# Altium PCB MercurialSDR.PcbDoc (part 2 of 2)
Units mm, origin at the board's own origin, x right, y up, seen from the top; angles counter-clockwise.
Board outline 100 x 50 mm, 2 copper layers (Top Layer, Bottom Layer); 130 components, 118 nets, 582 pads, 101 vias.
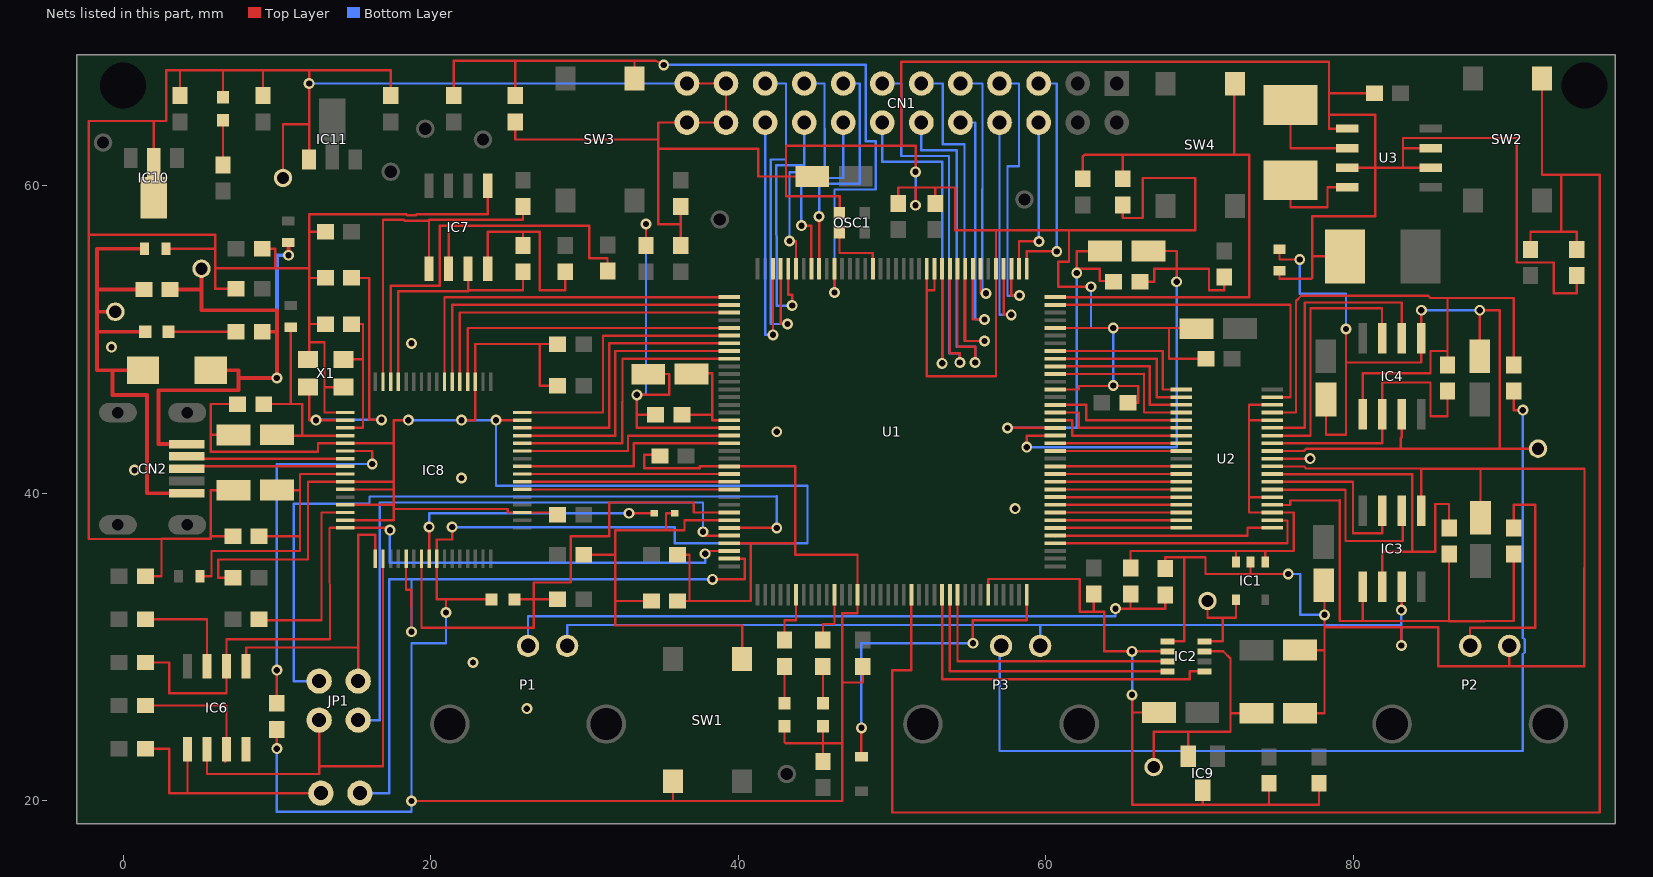
[diagram p2: the nets of this part, all layers, seen from the top]

## Via types
v1: diameter 0.711, hole 0.406, Top Layer to Bottom Layer, 101 vias

## Nets (pads, with @x,y where several pads share a name; then routed paths per layer and width w, separated by ;. In a path a pad name is that pad's centre, name@x,y a point inside that pad or via, vN(x,y) a via of type N, cw(c..) or ccw(c..) an arc to the next point about the centre after c; other vN are vias at no path point) (continued)
A1: U1.137 U2.20 | length 10.7
  Top Layer w0.152: U1.137@60.6,49.25 67.6,49.25 67.6,46.75 U2.20@68.8,46.75
AGND: C1.2 C5.2 C6.1 C7.1 C9.2 C46.2 FB5.2 IC1.2 IC2.5 IC3.3 IC3.5 IC4.3 IC4.5 P1.2 P2.2 P3.2 R2.2 TP13.1 U2.9 U2.11 | length 220.8
  Top Layer w0.152: R2.2@67.75,35.1 67.75,35.85 69,35.85 ; IC2.5@67.9,30.375 69,30.375 69,35.85 ; IC1.2@73.3,35.525 73.3,34.75 ; U2.11@74.7,42.75 76.777,42.75 76.912,42.885 83.059,42.885 ; FB5.2@75.184,55.869 75.184,55.2 v1(76.5,55.2) ; 75.405,41.74 76.787,41.74 76.912,41.615 84.4,41.6 ; v1(75.75,34.75) 73.3,34.75 ; C46.2@76.51,25.705 78.105,25.705 78.105,29.8 ; C1.2@76.51,29.805 76.51,29.8 78.105,29.8 ; C5.2@78.105,34.39 78.105,31.3 ; C9.2@78.205,46.09 78.205,43.8 79.5,43.8 79.5,48.5 ; 79.026,31.319 79.045,31.3 ; v1(79.5,50.675) 79.5,48.5 ; v1(83.1,30.1) 83.1,31.3 ; v1(83.1,32.4) 83.135,32.4 IC3.3@83.135,33.936 ; IC4.3@83.135,45.136 83.135,43.651 83.059,43.575 83.059,42.885 ; IC3.5@84.405,38.864 84.4,41.6 ; v1(84.405,51.9) IC4.5@84.405,50.064 84.405,48.5 79.5,48.5 ; C6.1@88.167,38.332 C6.1@88.2,38.3 ; C7.1@88.2,48.91 v1(88.2,51.9) 89.5,51.9 89.5,42.9 ; C6.1@88.245,38.41 88.25,41.6 ; P2.2@90.12,30.33 90.12,28.75 ; TP13.1@91.991,42.809 TP13.1@92.1,42.7 ; TP13.1@91.991,42.9 89.5,42.9 ; 69,35.85 70.375,35.85 70.375,34.75 73.3,34.75 ; 78.105,29.8 78.105,31.3 ; 78.105,31.3 79.045,31.3 ; 79.045,31.3 83.1,31.3 ; 83.059,42.885 89.5,42.9 ; 83.1,31.3 85.5,31.3 85.5,28.75 90.12,28.75 ; 84.4,41.6 88.25,41.6 ; 88.25,41.6 95.005,41.6 95,28.75 90.12,28.75
  Bottom Layer w0.152: P1.2@28.87,30.08 28.87,31.441 59.62,31.441 ; P3.2@59.62,30.08 59.62,31.441 ; v1(75.75,34.75) 76.525,34.75 76.525,32.1 v1(78.1,32.1) ; v1(76.5,55.2) 76.5,52.975 79.5,52.975 v1(79.5,50.675) ; v1(83.1,30.1) 83.1,31.441 ; v1(83.1,32.4) 83.1,31.441 ; v1(84.405,51.9) v1(88.2,51.9) ; 59.62,31.441 83.1,31.441
CDONE_S: D2.1 IC8.23 R7.2 U1.65 | length 36.1
  Top Layer w0.152: IC8.23@19.4,35.75 19.4,31.25 26.7,31.25 26.7,33.1 ; D2.1@25.45,33.1 26.7,33.1 ; R7.2@28.25,33.1 26.7,33.1 ; U1.65@39.4,38.75 37.1,38.75 37.1,39.4 31.6,39.4 31.6,37.2 29.1,37.2 29.1,34.2 26.7,34.2 26.7,33.1
CS_S: IC8.21 JP2.2 U1.71 | length 49.8
  Top Layer w0.152: IC8.21@18.4,35.75 18.4,33.721 18.745,33.721 18.745,32.639 18.75,32.639 v1(18.75,31) ; v1@38.354,34.417 40.411,34.417 40.411,35.75 U1.71@39.4,35.75
  Bottom Layer w0.152: JP2.2@15.4,20.5 17.3,20.5 17.3,34.409 18.72,34.409 ; v1(18.75,31) 18.75,34.379 18.72,34.409 ; v1(38.319,34.409) 18.72,34.409
D_0: U1.112 U2.2 | length 17.6
  Top Layer w0.152: U1.112@60.6,36.75 75.7,36.75 75.7,38.223 U2.2@74.7,38.25
D_1: U1.113 U2.1 | length 14.7
  Top Layer w0.152: U1.113@60.65,37.2 U1.113@60.6,37.25 73.1,37.25 73.1,37.75 U2.1@74.7,37.75
D_2: U1.114 U2.38 | length 8.2
  Top Layer w0.152: U1.114@60.6,37.75 U2.38@68.8,37.75
D_3: U1.115 U2.37 | length 8.3
  Top Layer w0.152: U1.115@60.65,38.2 U1.115@60.6,38.25 U2.37@68.8,38.25
D_4: U1.116 U2.36 | length 8.3
  Top Layer w0.152: U1.116@60.65,38.7 U1.116@60.6,38.75 U2.36@68.8,38.75
D_5: U1.117 U2.35 | length 8.2
  Top Layer w0.152: U1.117@60.6,39.25 U2.35@68.8,39.25
D_6: U1.118 U2.34 | length 8.2
  Top Layer w0.152: U1.118@60.6,39.75 U2.34@68.8,39.75
D_7: U1.119 U2.33 | length 8.2
  Top Layer w0.152: U1.119@60.6,40.25 U2.33@68.8,40.25
D_8: U1.120 U2.32 | length 8.2
  Top Layer w0.152: U1.120@60.6,40.75 U2.32@68.8,40.75
D_9: U1.121 U2.31 | length 8.2
  Top Layer w0.152: U1.121@60.6,41.25 U2.31@68.8,41.25
D_10: U1.122 U2.30 | length 8.2
  Top Layer w0.152: U1.122@60.6,41.75 U2.30@68.8,41.75
D_11: U1.124 U2.28 | length 8.2
  Top Layer w0.152: U1.124@60.6,42.75 U2.28@68.8,42.75
D_12: U1.125 U2.27 | length 8.2
  Top Layer w0.152: U1.125@60.6,43.25 U2.27@68.8,43.25
D_13: U1.128 U2.26 | length 9.2
  Top Layer w0.152: U1.128@60.6,44.75 61.7,44.75 61.7,43.75 U2.26@68.8,43.75
D_14: U1.129 U2.25 | length 9.2
  Top Layer w0.152: U1.129@60.6,45.25 62.125,45.25 62.125,44.25 U2.25@68.8,44.25
D_15: U1.130 U2.24 | length 9.2
  Top Layer w0.152: U1.130@60.6,45.75 62.625,45.75 62.625,44.75 U2.24@68.8,44.75
DAC_DATA_IN: IC2.1 U1.97 | length 23.1
  Top Layer w0.152: U1.97@53.25,33.4 53.25,27.9 69.35,27.9 69.35,28.425 IC2.1@70.3,28.425
DAC_SCLK: IC2.8 U1.98 | length 19.1
  Top Layer w0.152: U1.98@53.75,33.4 53.75,28.425 IC2.8@67.9,28.425
DAC_SYNC: IC2.7 U1.99 | length 18.1
  Top Layer w0.152: U1.99@54.25,33.4 54.25,29.075 IC2.7@67.9,29.075 ; IC2.7@67.9,29.098 IC2.7@67.9,29.175
GND: C2.2 C3.2 C10.2 C11.2 C12.2 C13.2 C14.2 C15.2 C16.2 C17.1 C18.1 C19.1 C20.1 C21.1 C26.1 C27.2 C28.2 C29.2 C30.2 C31.2 C32.2 C33.2 C34.2 C35.2 C36.2 C37.1 C38.2 C39.2 C40.2 C45.2 C48.2 C49.2 C50.2 C51.2 C52.2 C54.1 CN1.21 CN1.22 CN1.23 CN1.24 D2.2 D4.2 D5.2 D8.2 FB4.2 FB5.1 IC2.6 IC6.4 IC7.5 IC8.1 IC8.5 IC8.10 IC8.11 IC8.13 IC8.15 IC8.25 IC8.35 IC8.47 IC8.51 IC9.3 IC10.2 IC11.1 OSC1.2 R14.2 R19.1 R20.1 R21.1 SW1.4 TP12.1 U1.5 U1.13 U1.14 U1.59 U1.69 U1.86 U1.103 U1.132 U1.140 U2.10 U3.1 U3.3 U3.6 U3.7 X1.2 X1.4 | length 749.6
  Top Layer w0.152: C26.1@1.45,34.6 2.5,34.6 2.5,37.036 ; IC10.2@2,59.2 IC10.2@2,61.5 2,64.2 ; FB4.2@2.8,55.9 6,55.9 ; C49.2@3.7,65.85 3.7,67.5 ; 5.788,37.2 C30.2@7.15,37.2 ; D8.2@6.5,65.75 6.5,67.5 ; C27.2@7.15,34.5 6.2,34.5 6.2,35.7 12.025,35.7 12.025,40.75 17.6,40.75 ; C31.2@7.19,40.195 5.7,40.195 5.7,37.036 2.5,37.036 ; C32.2@7.19,43.795 5.7,43.795 ; C38.2@7.35,53.3 6,53.3 6,54.625 ; C33.2@7.45,45.8 5.7,45.8 5.7,43.795 ; C48.2@9.05,55.9 9.9,55.9 9.9,54.625 ; C50.2@9.1,66.35 9.1,67.5 ; R14.2@9.75,25.15 10,24.9 v1(10,23.4) ; TP12.1@10.4,60.5 10.4,64 12.1,64 ; X1.4@12.1,48.65 12.1,49.825 ; 12.1,54 C36.2@13.15,54 ; 12.1,54.6 12.1,51 ; IC11.1@12.1,61.7 12.1,64 ; C37.1@13.15,51 12.1,51 ; C29.2@13.15,57 12.1,57 ; X1.2@14.333,46.903 13.1,46.903 ; IC8.15@14.45,38.25 17.6,38.25 17.6,39.25 ; IC8.13@14.45,39.25 17.6,39.25 ; IC8.11@14.45,40.25 17.6,40.25 ; IC8.1@14.45,45.25 13.1,45.25 13.1,46.903 ; C51.2@17.4,65.85 17.4,67.5 12.1,67.5 ; 17.6,38.975 25,38.975 25,38.75 28.25,38.75 C28.2@28.25,38.6 ; v1(18.55,44.75) 17.6,44.75 17.6,43.25 ; v1(18.75,20) 35.75,20 ; v1(21,32.25) 21,33.055 20.98,33.075 21.006,33.1 ; v1(21.4,37.8) 21.4,37 20.4,37 20.4,33.1 21.006,33.1 ; v1(22,44.75) 22.9,44.75 22.9,49.7 27.1,49.7 ; IC7.5@23.705,60 23.7,58.15 19.098,58.15 19.013,58.065 18.487,58.065 18.402,58.15 12.1,58.15 12.1,57 ; D2.2@23.95,33.1 21.006,33.1 ; v1(24.25,44.75) IC8.47@25.95,44.75 ; R20.1@25.5,64.15 25.5,63 34.8,63 ; C35.2@28.25,47 27.1,47 27.1,49.7 ; C34.2@28.25,49.7 27.1,49.7 ; C17.1@34.85,42.5 33.875,42.5 33.875,41.625 37.5,41.625 37.5,41.75 U1.59@39.4,41.75 43.7,41.75 43.7,36.75 ; SW1.4@35.75,21.275 35.75,20 ; C16.2@36.05,33 36.83,33 ; C21.1@36.05,36 36.83,36 36.83,33 ; C12.2@36.25,56.1 36.25,57.5 ; C15.2@36.25,58.65 36.25,57.5 ; CN1.23@36.66,66.64 CN1.21@39.2,66.64 CN1.22@39.2,64.1 CN1.24@36.66,64.1 34.8,64.1 34.8,63 ; U1.69@39.4,36.75 40.8,36.75 ; D4.2@43,24.85 43,23.814 43.065,23.749 45.5,23.749 C19.1@45.5,22.5 ; C39.2@44.79,60.595 43.1,60.595 ; D5.2@45.5,24.85 45.5,23.75 46.75,23.75 ; OSC1.2@46.584,58.2 46.584,59.275 ; 46.584,59.3 43.1,59.3 43.1,60.595 ; C14.2@48.1,28.75 48.1,27.7 46.75,27.7 ; C40.2@50.4,58.85 50.4,59.875 52.8,59.875 ; v1(51.525,58.725) 51.525,59.875 ; v1(51.525,60.9) 51.525,62.6 50.6,62.6 ; U1.14@52.25,54.6 52.25,53.2 ; U1.13@52.75,54.6 52.75,53.2 52.25,53.2 ; C20.1@52.8,58.85 52.8,59.875 ; U1.103@56.25,33.4 56.25,34.425 62.2,34.425 62.2,32.3 63.1,32.3 ; U1.132@60.6,46.75 62.125,46.75 62.125,46.975 66,46.975 66,45.875 C18.1@65.325,45.875 ; U1.140@60.6,50.75 68,50.75 ; 61.5,57.1 61.5,55.05 60.8,55.05 60.8,53.425 v1(62.925,53.425) ; C13.2@63.1,33.45 63.1,32.3 ; R21.1@65,58.75 65,57.9 66.3,57.9 66.3,60.5 69.7,60.5 69.7,57.1 56.75,57.1 ; v1(65.6,26.9) 65.6,25.75 ; C2.2@67.34,25.745 67.34,25.75 65.6,25.75 ; IC2.6@67.9,29.725 63.8,29.725 63.8,32.3 63.1,32.3 ; C10.2@69.79,50.695 69.79,50.75 68,50.75 ; IC9.3@70.2,20.7 70.2,19.75 ; C11.2@70.4,48.75 68,48.75 68,50.75 ; C45.2@74.5,21.15 74.5,19.75 ; U2.10@74.7,42.25 v1(77.175,42.25) ; FB5.1@75.184,54.469 75.184,53.95 77.241,53.95 77.3,54.008 77.3,55.4 ; C3.2@77.75,21.15 77.75,19.75 74.5,19.75 ; C54.1@79.45,55.4 77.3,55.4 ; U3.3@79.576,61.165 81.4,61.165 ; U3.1@79.576,63.705 78.4,63.705 78.4,64.6 ; C52.2@81.35,66 78.4,66 ; U3.6@85.024,61.165 83.212,61.165 ; U3.7@85.024,62.435 83.212,62.435 ; R19.1@94.5,54.15 94.5,53 93,53 93,55 90.6,55 90.6,63.1 83.212,63.1 83.212,62.435 ; -2.221,56.8 -2.221,64.2 2,64.2 ; -2.221,56.8 6,56.8 6,55.9 ; -2.221,56.8 -2.225,37.025 2.5,37.036 ; 2,64.2 2.8,64.2 2.8,67.5 3.7,67.5 ; 3.7,67.5 6.5,67.5 ; 5.7,43.795 5.7,42.7 12.675,42.7 12.675,43.25 17.6,43.25 ; 6,54.625 9.9,54.625 ; 6,54.625 6,55.9 ; 6.5,67.5 9.1,67.5 ; 9.1,67.5 12.1,67.5 ; 9.9,54.625 12.1,54.625 12.1,57 ; 12.1,49.825 13.1,49.825 13.1,46.903 ; 12.1,49.825 12.1,51 ; 12.1,64 v1(12.1,66.64) 12.1,67.5 ; 17.6,39.25 17.6,40.25 ; 17.6,40.25 17.6,40.75 ; 17.6,40.75 17.6,43.25 ; 34.8,62.4 34.8,63 ; 34.8,62.4 34.8,57.5 36.25,57.5 ; 34.8,62.4 41.3,62.4 41.3,60.595 43.1,60.595 ; 35.75,20 46.75,20 46.75,23.75 ; 36.83,33 40.8,33 40.8,36.75 ; 40.8,36.75 43.7,36.75 ; 43.1,60.595 43.1,62.6 50.6,62.6 ; 43.7,36.75 43.7,36 47.75,36 U1.86@47.75,33.4 47.75,32.2 46.75,32.2 46.75,27.7 ; 46.75,23.75 46.75,27.7 ; 50.6,62.6 50.6,68.059 78.4,68.059 78.4,66 ; 52.25,53.2 52.25,47.6 56.75,47.6 U1.5@56.75,54.6 56.75,57.1 ; 52.8,59.875 54.1,59.875 54.1,57.1 56.75,57.1 ; 65.6,25.75 65.6,19.75 70.2,19.75 ; 70.2,19.75 74.5,19.75 ; 77.3,55.4 77.3,58 81.4,58 81.4,61.165 ; 78.4,64.6 78.4,66 ; 78.4,64.6 81.4,64.6 81.4,61.165 ; 81.4,61.165 83.212,61.165 ; 83.212,61.165 83.212,62.435
  Top Layer w0.254: C19.1@45.5,22.5 C19.1@45.55,22.45
  Bottom Layer w0.152: v1(10,23.4) 10,19.304 18.75,19.304 v1(18.75,20) 18.75,30.25 21,30.25 v1(21,32.25) ; v1(12.1,66.64) CN1.23@36.66,66.64 ; v1(18.55,44.75) v1(22,44.75) v1(24.25,44.75) 24.25,40.5 44.5,40.5 44.5,36.75 35.875,36.75 35.875,37.8 v1(21.4,37.8) ; v1(51.525,58.725) v1(51.525,60.9) ; v1(62.925,53.425) 62.925,50.775 62.95,50.75 v1(64.375,50.75) v1(64.375,47) ; v1(65.6,26.9) v1(65.6,29.725)
  other v1: 26.25,26 22.75,29 58,39 22,41 0.75,41.5 42.5,44 -0.75,49.5 18.75,49.75
LDAC: U1.136 U2.21 | length 10.7
  Top Layer w0.152: U1.136@60.6,48.75 67.175,48.75 ; 67.2,48.75 67.2,46.25 U2.21@68.8,46.25
MISO_ICE: JP1.1 U1.68 | length 40.4
  Top Layer w0.152: v1(37.7,37.5) 37.7,37.25 U1.68@39.4,37.25
  Bottom Layer w0.152: JP1.1@15.29,25.25 16.7,25.25 16.7,39.4 37.7,39.4 v1(37.7,37.5)
MISO_S: IC6.2 IC8.18 JP1.2 | length 30
  Top Layer w0.152: IC6.2@5.46,23.35 5.46,21.75 12.75,21.75 12.75,22.25 ; JP1.2@12.75,25.25 12.75,22.25 ; IC8.18@16.9,35.75 16.9,22.25 12.75,22.25
MOSI_ICE: JP1.4 U1.67 | length 50.2
  Top Layer w0.152: U1.67@39.4,37.75 v1(42.5,37.75)
  Bottom Layer w0.152: JP1.4@12.75,27.79 11.1,27.79 11.1,39.325 16.025,39.325 16.025,39.775 42.5,39.8 v1(42.5,37.75)
MOSI_S: IC6.5 IC8.17 JP1.3 | length 20.7
  Top Layer w0.152: IC6.5@8,28.75 8,29.975 15.29,29.975 ; JP1.3@15.29,27.79 15.29,37.3 15.4,37.3 16.4,37.3 IC8.17@16.4,35.75
NetC4_1: C4.1 IC3.1 R3.1 U2.4 | length 34.7
  Top Layer w0.152: U2.4@74.7,39.24 75.875,39.25 75.875,39.514 79.1,39.538 79.1,31.7 80.595,31.7 ; IC3.1@80.595,33.936 80.595,31.7 ; C4.1@86.205,36.04 86.205,31.7 ; R3.1@90.405,36.04 90.405,31.7 88.49,31.7 88.481,31.691 86.214,31.691 86.205,31.7 ; 80.595,31.7 86.205,31.7
NetC4_2: C4.2 IC3.2 U2.8 | length 24.7
  Top Layer w0.152: 75.405,41.24 83.805,41.24 83.805,36.2 ; IC3.2@81.865,33.936 81.865,36.2 83.805,36.2 ; C4.2@86.205,37.74 86.205,39.3 85.3,39.3 85.3,36.2 83.805,36.2
NetC8_1: C8.1 IC4.2 U2.12 | length 19.2
  Top Layer w0.152: U2.12@74.7,43.25 81.865,43.25 IC4.2@81.865,45.136 81.865,47.2 85,47.2 85,45 86.1,45 C8.1@86.1,46.65
NetC8_2: C8.2 IC4.1 R4.1 U2.16 | length 41.6
  Top Layer w0.152: U2.16@74.7,45.25 76.256,45.25 76.256,52.508 76.592,52.844 84.856,52.844 85,52.7 86.1,52.7 ; IC4.1@80.595,45.136 80.595,47.8 85,47.8 85,49.25 86.1,49.25 ; C8.2@86.1,48.35 86.1,52.7 ; R4.1@90.2,48.35 90.4,48.55 90.4,52.7 86.1,52.7
NetC16_1: C16.1 D1.1 R6.2 SW1.1 U1.66 | length 30.7
  Top Layer w0.152: R6.2@29.95,36 32,36 ; C16.1@34.35,33 32,33 ; D1.1@35.86,38.7 35.3,38.7 35.3,37.6 ; U1.66@39.4,38.25 36.5,38.25 36.5,37.6 35.3,37.6 ; SW1.1@40.25,29.225 40.25,31.4 32,31.4 32,33 ; 32,33 32,36 ; 32,36 32,37.6 35.3,37.6
NetC22_1: C22.1 C24.1 R8.1 U1.54 | length 27.2
  Top Layer w0.152: C24.1@33.99,47.795 C24.1@34.09,47.795 ; R8.1@34,56.1 v1@34,57.6 ; C22.1@34.393,44.7 C22.1@34.45,44.757 ; C24.1@34.45,47.75 35.5,47.75 35.5,46.4 v1(33.4,46.4) 33.4,45.1 ; C22.1@34.55,45.027 34.477,45.1 33.4,45.1 ; U1.54@39.4,44.25 33.4,44.25 33.4,45.1
  Bottom Layer w0.152: v1(33.4,46.4) 34,46.4 v1(34,57.5)
NetC22_2: C22.2 C24.2 U1.53 | length 7.5
  Top Layer w0.152: C22.2@36.325,45.1 38.3,45.1 ; C24.2@36.66,47.5 C24.2@36.66,47.505 ; C24.2@36.91,47.805 36.915,47.8 38.3,47.8 38.3,45.1 ; U1.53@39.4,44.75 38.3,44.75 38.3,45.1
NetC23_1: C23.1 C25.1 R9.2 U1.126 | length 35.5
  Top Layer w0.152: v1(58.75,43) 58.75,43.75 U1.126@60.6,43.75 ; C23.1@66.1,53.75 67.05,53.75 67.05,54.6 68.5,54.6 ; C25.1@66.66,55.755 68.5,55.755 68.5,54.6 ; v1(68.5,53.75) 68.5,54.6 ; R9.2@71.6,54.05 71.6,53.2 70.6,53.2 70.6,54.6 68.5,54.6
  Bottom Layer w0.152: v1(58.75,43) 68.5,43 v1(68.5,53.75)
NetC23_2: C23.2 C25.2 U1.127 | length 24.2
  Top Layer w0.152: v1(57.5,44.25) U1.127@60.6,44.25 ; v1(62,54.312) v1@62,54.6 ; C25.2@63.84,55.745 62,55.745 v1@62,54.6 ; C23.2@64.4,53.75 64.35,53.8 63.5,53.8 63.5,54.6 v1@62,54.6
  Bottom Layer w0.152: v1(57.5,44.25) 62,44.25 v1(62,54.312)
NetC30_1: C30.1 C31.1 FB1.2 IC8.9 | length 20.2
  Top Layer w0.152: FB1.2@5,34.6 5.75,34.6 5.75,36.25 11.5,36.25 11.5,37.2 ; C30.1@8.85,37.2 11.5,37.2 ; C31.1@10.01,40.205 11.5,40.205 ; IC8.9@14.45,41.25 11.5,41.25 11.5,40.205 ; 11.5,37.2 11.5,40.205
NetC32_1: C32.1 C33.1 FB2.2 IC8.4 | length 14.1
  Top Layer w0.152: C33.1@9.15,45.8 10.9,45.8 ; C32.1@9.61,43.705 C32.1@9.655,43.75 ; C32.1@10.01,43.805 10.01,43.75 IC8.4@14.45,43.75 ; FB2.2@10.9,50.8 10.9,45.8 ; 11.659,43.805 11.659,45.8 10.9,45.8
NetC36_1: C36.1 IC8.2 X1.1 | length 19.9
  Top Layer w0.152: X1.1@12.1,46.85 12.1,44.75 v1(12.55,44.75) IC8.2@14.45,44.75 ; C36.1@14.85,54 16,54 16,44.775 v1(16.8,44.775)
  Bottom Layer w0.152: v1(12.55,44.75) 12.55,44.775 v1(16.8,44.775)
NetC37_2: C37.2 IC8.3 X1.3 | length 9.9
  Top Layer w0.152: X1.3@14.333,48.703 15.6,48.703 ; IC8.3@14.45,44.25 15.6,44.25 15.6,51 C37.2@14.85,51
NetC41_2: C41.2 R19.2 SW2.4 U1.93 | length 121.9
  Top Layer w0.152: U1.93@51.25,33.4 51.25,28.5 50,28.5 50,19.25 96,19.25 96,60.7 93.5,60.7 ; C41.2@91.5,55.85 91.5,57 93.5,57 ; SW2.4@92.25,66.975 92.25,60.7 93.5,60.7 ; R19.2@94.5,55.85 94.5,57 93.5,57 ; 93.5,57 93.5,60.7
NetC42_2: C42.2 R20.2 SW3.4 U1.26 | length 52.2
  Top Layer w0.152: C42.2@21.5,65.85 21.5,68.124 25.5,68.124 ; R20.2@25.5,65.85 25.5,68.124 ; SW3.4@33.25,66.975 33.25,68.124 ; v1(35.15,67.85) 34.6,68.124 33.25,68.124 ; v1(46.25,53.05) U1.26@46.25,54.6 ; 25.5,68.124 33.25,68.124
  Bottom Layer w0.152: v1(35.15,67.85) 48.275,67.85 48.275,62.875 48.925,62.875 48.925,59.75 46.25,59.75 v1(46.25,53.05)
NetC43_2: C43.2 R21.2 SW4.4 U1.144 | length 40.8
  Top Layer w0.152: U1.144@60.6,52.75 73.225,52.75 73.225,62 72.25,62 ; C43.2@62.4,60.45 62.4,61.9 62.5,62 65,62 ; R21.2@65,60.45 65,62 ; SW4.4@72.25,67.075 72.25,62 ; 65,62 72.25,62
NetC53_1: C53.1 U3.2 | length 6.5
  Top Layer w0.152: C53.1@75.9,65.25 75.9,62.435 U3.2@79.576,62.435
NetC53_2: C53.2 U3.4 | length 6.7
  Top Layer w0.152: C53.2@75.9,60.35 75.9,58.6 78.3,58.6 78.3,59.895 U3.4@79.576,59.895
NetCN1_5: CN1.5 U1.1 | length 15.1
  Top Layer w0.152: U1.1@58.75,54.6 58.75,55.725 v1(60.7,55.725)
  Bottom Layer w0.152: CN1.5@59.52,66.64 60.7,66.64 v1@60.7,55.75
NetCN1_6: CN1.6 U1.2 | length 10.7
  Top Layer w0.152: U1.2@58.25,54.6 58.25,56.375 v1(59.55,56.375)
  Bottom Layer w0.152: v1@59.5,56.5 59.52,56.52 CN1.6@59.52,64.1
NetCN1_7: CN1.7 U1.3 | length 18.9
  Top Layer w0.152: U1.3@57.75,54.6 57.75,52.85 v1(58.275,52.85)
  Bottom Layer w0.152: CN1.7@56.98,66.64 58.25,66.64 58.25,61.25 57.5,61.25 57.5,52.85 v1(58.275,52.85)
NetCN1_8: CN1.8 U1.4 | length 17.5
  Top Layer w0.152: U1.4@57.25,54.6 57.25,51.6 v1(57.741,51.6)
  Bottom Layer w0.152: v1(57.741,51.6) 56.98,51.6 CN1.8@56.98,64.1 CN1.8@57.741,64.1
NetCN1_9: CN1.9 U1.7 | length 17.3
  Top Layer w0.152: U1.7@55.75,54.6 55.75,53 v1(56.1,53)
  Bottom Layer w0.152: CN1.9@54.44,66.64 55.875,66.625 55.85,53 v1(56.1,53)
NetCN1_10: CN1.10 U1.8 | length 18.4
  Top Layer w0.152: U1.8@55.25,54.6 55.24,54.6 55.24,51.3 v1(56,51.3)
  Bottom Layer w0.152: CN1.10@54.44,64.1 55.4,64.1 55.4,51.3 v1(56,51.3)
NetCN1_11: CN1.11 U1.9 | length 26.8
  Top Layer w0.152: U1.9@54.75,54.6 54.75,49.9 v1(56,49.9)
  Bottom Layer w0.152: CN1.11@51.9,66.64 53.3,66.64 53.3,62.7 54.7,62.7 54.7,49.9 v1(56,49.9)
NetCN1_12: CN1.12 U1.10 | length 26.4
  Top Layer w0.152: U1.10@54.25,54.6 54.25,49.525 55.4,49.525 v1(55.4,48.5)
  Bottom Layer w0.152: CN1.12@51.9,64.1 51.9,62.3 54.2,62.3 54.2,49.525 55.4,49.525 v1(55.4,48.5)
NetCN1_13: CN1.13 U1.11 | length 29.9
  Top Layer w0.152: U1.11@53.75,54.6 53.75,49.1 54.4,49.1 v1(54.4,48.5)
  Bottom Layer w0.152: CN1.13@49.36,66.64 50.6,66.64 50.6,61.925 53.7,61.925 53.7,49.1 54.4,49.1 v1(54.4,48.5)
NetCN1_14: CN1.14 U1.12 | length 25.7
  Top Layer w0.152: v1(53.25,48.45) U1.12@53.25,54.6
  Bottom Layer w0.152: CN1.14@49.36,64.1 49.36,61.55 53.25,61.55 v1(53.25,48.45)
NetCN1_15: CN1.15 U1.28 | length 15.8
  Top Layer w0.152: U1.28@45.25,54.6 v1(45.25,58)
  Bottom Layer w0.152: v1(45.25,58) 45.25,60.125 47.9,60.125 47.9,66.625 CN1.15@46.82,66.64
NetCN1_16: CN1.16 U1.29 | length 12.9
  Top Layer w0.152: v1(44.1,57.4) 44.75,57.4 U1.29@44.75,54.6
  Bottom Layer w0.152: v1(44.1,57.4) 44.1,60.5 46.825,60.5 CN1.16@46.82,64.1
NetCN1_17: CN1.17 U1.31 | length 16.3
  Top Layer w0.152: v1@43.1,56.4 43.75,56.4 U1.31@43.75,54.6
  Bottom Layer w0.152: v1(43.325,56.4) 43.325,60.875 45.625,60.875 45.6,66.64 CN1.17@44.28,66.64
NetCN1_18: CN1.18 U1.32 | length 17.4
  Top Layer w0.152: U1.32@43.25,54.6 43.25,52.9 43.5,52.9 v1(43.5,52.2)
  Bottom Layer w0.152: v1(43.5,52.2) 42.5,52.2 42.475,61.325 44.275,61.325 CN1.18@44.28,64.1
NetCN1_19: CN1.19 U1.33 | length 23.2
  Top Layer w0.152: U1.33@42.75,54.6 42.75,51 v1(43.2,51)
  Bottom Layer w0.152: CN1.19@41.74,66.64 43.1,66.64 43.1,61.7 42.1,61.7 42.1,51 v1(43.2,51)
NetCN1_20: CN1.20 U1.34 | length 18.6
  Top Layer w0.152: v1(42.25,50.3) U1.34@42.25,54.6
  Bottom Layer w0.152: CN1.20@41.74,64.1 41.74,50.3 v1(42.25,50.3)
NetD3_2: D3.2 U1.108 | length 21.3
  Top Layer w0.152: D3.2@48,22.865 v1(48,24.75) ; v1(55.25,30.25) 55.25,31.75 58.75,31.75 U1.108@58.75,33.4
  Bottom Layer w0.152: v1(48,24.75) 48,30.25 v1(55.25,30.25)
NetD4_1: D4.1 R22.1 | length 2.4
  Top Layer w0.152: D4.1@43,26.35 R22.1@43,28.75
NetD5_1: D5.1 R23.1 | length 2.4
  Top Layer w0.152: D5.1@45.5,26.35 R23.1@45.5,28.75
NetD7_1: D7.1 R25.2 | length 4.4
  Top Layer w0.152: D7.1@2.95,50.5 R25.2@7.35,50.5
NetD8_1: D8.1 R26.2 | length 2.9
  Top Layer w0.152: R26.2@6.5,61.35 D8.1@6.5,64.25
NetIC1_4: IC1.4 IC2.4 TP1.1 | length 7.3
  Top Layer w0.152: IC2.4@70.3,30.375 71.5,30.375 71.5,31.9 ; TP1.1@70.5,33.475 70.5,31.9 71.5,31.9 ; IC1.4@72.35,33.075 72.35,31.9 71.5,31.9
NetIC3_6: IC3.6 U2.6 | length 13.1
  Top Layer w0.152: U2.6@74.7,40.24 79.475,40.24 79.475,36.9 83.205,36.9 IC3.6@83.2,38.2
NetIC3_7: IC3.7 U2.7 | length 12
  Top Layer w0.152: U2.7@74.7,40.74 79.96,40.74 79.96,39.183 79.961,37.4 81.865,37.4 IC3.7@81.865,38.864 ; IC3.7@81.905,39.318 IC3.7@81.935,39.318
NetIC4_6: IC4.6 U2.14 | length 18.9
  Top Layer w0.152: U2.14@74.7,44.25 76.825,44.25 76.825,52.4 83.135,52.4 IC4.6@83.135,50.064
NetIC4_7: IC4.7 U2.13 | length 16.8
  Top Layer w0.152: U2.13@74.7,43.75 77.2,43.75 77.2,52.025 81.85,52.025 IC4.7@81.85,50.7
NetIC6_1: IC6.1 JP2.1 R11.1 | length 17.2
  Top Layer w0.152: R11.1@1.45,23.4 3,23.4 3,20.5 4.19,20.5 ; IC6.1@4.19,23.35 4.19,20.5 ; JP2.1@12.86,20.5 4.19,20.5
NetIC6_3: IC6.3 R10.2 | length 8.9
  Top Layer w0.152: R10.2@1.45,26.2 6.73,26.2 IC6.3@6.73,23.35 ; 6.635,22.55 IC6.3@6.635,23.35
NetIC6_7: IC6.7 R12.2 | length 7.1
  Top Layer w0.152: R12.2@1.45,31.8 5.46,31.8 IC6.7@5.46,28.75
NetIC7_1: IC7.1 IC8.63 R18.2 | length 23.7
  Top Layer w0.152: IC8.63@16.9,47.25 16.9,57.779 18.27,57.779 18.34,57.709 19.825,57.709 19.895,57.779 ; IC7.1@19.895,54.6 19.895,57.779 ; R18.2@26,58.65 26,57.779 19.895,57.779
NetIC7_2: IC7.2 IC8.62 R17.2 | length 30
  Top Layer w0.152: IC8.62@17.4,47.25 17.4,53.5 20.6,53.5 20.6,57.4 21.165,57.4 ; IC7.2@21.165,54.6 21.165,57.4 ; R17.2@31.5,54.45 31.5,55.275 30.3,55.275 30.3,57.4 21.165,57.4
NetIC7_3: IC7.3 IC8.61 R15.2 | length 17.1
  Top Layer w0.152: IC8.61@17.9,47.25 17.9,53.125 22.435,53.125 22.435,53.2 ; IC7.3@22.435,54.6 22.435,53.2 ; IC7.3@22.48,54.6 IC7.3@22.48,55.1 ; R15.2@26,54.4 26,53.2 22.435,53.2
NetIC7_4: IC7.4 R15.1 R16.1 | length 13.3
  Top Layer w0.152: IC7.4@23.705,54.6 23.705,57 26,57 ; R15.1@26,56.1 26,57 ; R16.1@28.75,54.4 28.75,53.2 27.1,53.2 27.1,57 26,57
NetIC8_6: IC8.6 R14.1 | length 24.4
  Top Layer w0.152: R14.1@10,26.35 v1(10,28.5) ; IC8.6@14.45,42.75 16.2,42.75 v1(16.2,41.9)
  Bottom Layer w0.152: v1(10,28.5) 10,41.9 v1(16.2,41.9)
NetIC8_14: IC8.14 R13.1 | length 12.6
  Top Layer w0.152: R13.1@8.85,31.75 12.9,31.75 12.9,38.75 IC8.14@14.45,38.75
NetIC8_38: IC8.38 U1.62 | length 13.4
  Top Layer w0.152: IC8.38@25.95,40.25 U1.62@39.4,40.25
NetIC8_39: IC8.39 U1.61 | length 13.5
  Top Layer w0.152: IC8.39@25.95,40.75 36.468,40.75 ; 36.468,40.75 37.4,40.75 ; 37.4,40.75 U1.61@39.4,40.75
NetIC8_40: IC8.40 U1.60 | length 13.4
  Top Layer w0.152: IC8.40@25.95,41.25 38,41.25 U1.60@39.4,41.25
NetIC8_41: IC8.41 U1.56 | length 14.9
  Top Layer w0.152: IC8.41@25.95,41.75 33.2,41.75 33.2,43.25 U1.56@39.4,43.25
NetIC8_43: IC8.43 U1.55 | length 14.4
  Top Layer w0.152: IC8.43@25.95,42.75 32.825,42.75 32.825,43.75 U1.55@39.4,43.75
NetIC8_44: IC8.44 U1.45 | length 18.9
  Top Layer w0.152: IC8.44@25.95,43.25 32.45,43.25 32.475,48.75 U1.45@39.4,48.75
NetIC8_45: IC8.45 U1.44 | length 18.9
  Top Layer w0.152: IC8.45@25.95,43.75 32,43.75 32,49.25 U1.44@39.4,49.25
NetIC8_46: IC8.46 U1.43 | length 18.9
  Top Layer w0.152: IC8.46@25.95,44.25 31.6,44.25 31.6,49.75 U1.43@39.4,49.75
NetIC8_48: IC8.48 U1.42 | length 18.4
  Top Layer w0.152: IC8.48@25.95,45.25 31.2,45.25 31.2,50.25 U1.42@39.4,50.25
NetIC8_52: IC8.52 U1.41 | length 20.5
  Top Layer w0.152: IC8.52@22.4,47.25 22.4,50.75 U1.41@39.4,50.75
NetIC8_53: IC8.53 U1.39 | length 22
  Top Layer w0.152: IC8.53@21.9,47.25 21.9,51.75 U1.39@39.4,51.75
NetIC8_54: IC8.54 U1.38 | length 23
  Top Layer w0.152: IC8.54@21.4,47.25 21.4,52.25 U1.38@39.4,52.25
NetIC8_55: IC8.55 U1.37 | length 24
  Top Layer w0.152: IC8.55@20.9,47.25 20.9,52.75 U1.37@39.4,52.75
NetOSC1_3: OSC1.3 U1.21 | length 4.5
  Top Layer w0.152: OSC1.3@46.575,56.975 46.575,55.625 48.75,55.625 U1.21@48.75,54.6
NetP1_1: P1.1 R1.2 R2.1 | length 46.3
  Top Layer w0.152: v1(64.525,32.5) 65.5,32.5 ; R1.2@65.5,33.45 65.5,32.5 ; R2.1@67.75,33.4 67.75,32.5 65.5,32.5
  Bottom Layer w0.152: P1.1@26.33,30.08 26.33,32 64.525,32 v1(64.525,32.5) ; P1.1@26.5,29.75 P1.1@26.5,30.33
NetP2_1: P2.1 R3.2 | length 15.9
  Top Layer w0.152: P2.1@87.57,30.5 87.57,31.257 90.504,31.257 90.511,31.25 91.8,31.25 91.8,39.25 90.405,39.25 R3.2@90.405,37.74
NetP3_1: P3.1 R4.2 | length 65.1
  Top Layer w0.152: R4.2@90.2,46.65 90.4,46.45 90.4,45.4 v1(91,45.4)
  Bottom Layer w0.152: P3.1@57.08,30.08 57,30.08 57,27.44 56.98,27.44 56.98,23.25 91,23.25 91,29.541 91.123,29.664 91.123,30.496 91,30.619 v1(91,45.4)
NetR22_2: R22.2 U1.78 | length 3.7
  Top Layer w0.152: R22.2@43,30.45 43,31.75 43.75,31.75 U1.78@43.75,33.4
NetR23_2: R23.2 U1.83 | length 3.7
  Top Layer w0.152: R23.2@45.5,30.45 45.5,31.5 46.25,31.5 U1.83@46.25,33.4
PGND: C47.2 CN2.5 D6.1 D7.2 FB4.1 TP11.1 | length 34.3
  Top Layer w0.254: -0.675,48 -0.675,46.4 1.55,46.4 1.55,40 CN2.5@4.146,40 ; TP11.1@-0.5,51.8 -1.7,51.8 ; D6.1@1.3,48 -1.7,48 -1.7,50.475 ; C47.2@1.35,53.25 -1.7,53.25 ; FB4.1@1.4,55.9 -1.7,55.9 -1.7,53.25 ; D7.2@1.45,50.6 D7.2@1.45,50.5 -1.7,50.475 ; -1.7,50.475 -1.7,51.8 ; -1.7,51.8 -1.7,53.25
R\S\: U1.134 U2.23 | length 10.9
  Top Layer w0.152: U1.134@60.6,47.75 66.375,47.775 ; 66.375,45.25 U2.23@68.95,45.25 ; 66.375,45.3 66.375,47.75 ; U2.23@68.741,45.309 U2.23@68.8,45.25
RESET_S: D1.2 IC8.24 | length 17.6
  Top Layer w0.152: IC8.24@19.9,35.75 v1(19.9,37.8) ; v1(32.9,38.7) D1.2@34.54,38.7
  Bottom Layer w0.152: v1(19.9,37.8) 19.9,38.7 v1(32.9,38.7)
RSTSEL: U1.135 U2.22 | length 10.7
  Top Layer w0.152: U1.135@60.6,48.25 66.75,48.25 66.75,45.75 U2.22@68.8,45.75
SCK_S: IC6.6 IC8.16 R5.2 U1.70 | length 53.1
  Top Layer w0.152: R5.2@1.45,29 3,29 3,27 6.73,27 IC6.6@6.73,28.75 6.73,30.5 13.45,30.5 13.425,37.725 ; 13.45,37.75 17.2,37.75 v1(17.35,37.6) ; 38.155,36.25 U1.70@39.4,36.25
  Bottom Layer w0.152: v1(17.35,37.6) 17.35,35.475 37.846,35.484 v1(37.846,36.068)
USB_BUS: C47.1 CN2.1 D6.2 FB3.1 R25.1 TP7.1 | length 40.7
  Top Layer w0.254: C47.1@3.05,53.25 5.1,53.25 ; CN2.1@4.146,43.2 2.3,43.2 2.3,46.7 7.5,46.7 7.5,47.5 ; TP7.1@5.1,54.6 5.1,53.25 ; D6.2@5.7,48 7.5,48 7.5,47.5 ; R25.1@9.05,50.5 10,50.5 ; v1@10.75,55.25 FB3.1@10.75,56.3 ; 5.1,53.25 5.1,51.9 10,51.9 10,50.5 ; 7.5,47.5 v1(10,47.5) 10,50.5
  Bottom Layer w0.254: v1@10,47.675 10,55.425 ; 10,55.475 v1(10.75,55.475)
USB_D_N: CN2.2 IC8.7 | length 10.5
  Top Layer w0.152: CN2.2@4.146,42.4 4.146,42.25 IC8.7@14.45,42.25
USB_D_P: CN2.3 IC8.8 | length 10.5
  Top Layer w0.152: CN2.3@4.146,41.6 4.146,41.75 IC8.8@14.45,41.75
VREF: C46.1 IC2.3 IC9.2 TP6.1 | length 17.3
  Top Layer w0.152: TP6.1@67,22.2 67,24.3 67,24.5 69.25,24.5 ; IC9.2@69.25,22.9 69.25,24.5 ; IC2.3@70.175,29.725 71.5,29.725 ; 71.525,29.725 72,29.25 72,24.5 69.25,24.5 ; 72,25.7 C46.1@73.69,25.695
VREF2: IC1.1 IC1.3 R1.1 U2.3 U2.5 U2.15 U2.17 | length 30
  Top Layer w0.152: R1.1@65.5,35.15 65.5,36.25 72.35,36.25 ; IC1.3@72.35,35.525 72.35,36.25 ; IC1.1@74.25,35.525 74.25,36.25 ; U2.5@74.7,39.75 73.2,39.75 ; U2.15@74.7,44.75 73.2,44.75 ; U2.17@74.7,45.75 73.2,45.75 73.2,44.75 ; 72.35,36.25 74.25,36.25 ; 73.2,39.75 73.2,44.75 ; 73.2,39.75 73.2,38.75 U2.3@74.7,38.75 76.1,38.75 76.1,36.25 74.25,36.25
W\R\: U1.143 U2.18 | length 22.5
  Top Layer w0.152: U1.143@60.6,52.25 75.9,52.25 75.9,46.25 U2.18@74.7,46.25
pads on no net: CN2. CN2.4 IC7.7 IC8.19 IC8.22 IC8.26 IC8.27 IC8.28 IC8.29 IC8.30 IC8.32 IC8.33 IC8.34 IC8.36 IC8.57 IC8.58 IC8.59 IC8.60 P1.3 P1.4 P2.3 P2.4 P3.3 P3.4 SW1.2 SW1.3 SW2.2 SW2.3 SW3.2 SW3.3 SW4.2 SW4.3 U1.15 U1.16 U1.17 U1.18 U1.19 U1.20 U1.22 U1.23 U1.24 U1.25 U1.35 U1.36 U1.47 U1.48 U1.49 U1.50 U1.51 U1.52 U1.58 U1.63 U1.64 U1.73 U1.74 U1.75 U1.76 U1.77 U1.79 U1.80 U1.81 U1.82 U1.84 U1.85 U1.87 U1.88 U1.90 U1.91 U1.94 U1.95 U1.96 U1.101 U1.102 U1.104 U1.105 U1.106 U1.107 U1.109 U1.110 U1.133 U1.138 U1.139 U1.141

## Polygon pours and split planes (outlines as drawn)
GND on Top Layer "GND" (solid, remove dead copper, pour order 26): -3,25 66,25 66,18.5 -3,18.5
GND on Top Layer "GND" (solid, pour order 20): 66,25 66,27.75 71,27.75 71,25
GND on Top Layer "GND" (solid, remove dead copper, pour order 18): 65.75,36 65.75,25 -3,25 -3,36
GND on Top Layer "GND" (solid, remove dead copper, pour order 16): 97,18.5 97,24.75 64,24.75 64,18.5
GND on Top Layer "GND" (solid, remove dead copper, pour order 14): -3,53 70.75,53 70.75,36 -3,36
GND on Top Layer "GND" (solid, remove dead copper, pour order 12): 97,68.5 97,53.25 -3,53.25 -3,68.5
AGND on Top Layer "AGND" (solid, remove dead copper, pour order 8): 66.25,36.75 66.25,28.25 75.1,28.25 75.1,36.75
AGND on Top Layer "AGND" (solid, remove dead copper, pour order 6): 71.25,52.75 97,52.75 97,25.25 71.25,25.25
GND on Bottom Layer "GND" (solid, pour order 22): 97,68.5 97,18.5 -3,18.5 -3,68.5

## Keep-outs
Keep-Out Layer:
  lines w0.152: -3,68.5 -3,18.5 97,18.5 97,68.5

## Silkscreen, mask and mechanical layers (free items; w line width, h text height)
Top Overlay:
  drawing of 9 lines, arcs and shapes, not listed
  text "RF-LAB" at 95.402,46.507 h1.02 r90
  text "ICE 1-3 & 2-4 / Flash 1-2 / & 3-4" at 9.75,30.75 h0.76
  text "4" at 12.25,29.25 h0.76
  text "3" at 15.5,29.25 h0.76
  text "2" at 12.5,23 h0.76
  text "1" at 15.25,23 h0.76
  text "Remove JP2: ICE / Shunt JP2: Flash" at -2.25,19.25 h0.76
Mechanical 1:
  lines w0.152: -3,18.5 -3,68.5 97,68.5 97,18.5 -3,18.5
  lines w0.254: -5.258,20.024 -4.75,18.5 ; -5.258,66.976 -4.75,68.5 ; -5.004,18.5 -4.496,18.5 ; -5.004,68.5 -4.496,68.5 ; -4.75,38.396 -4.75,18.5 ; -4.75,48.604 -4.75,68.5 ; -4.242,20.024 -4.75,18.5 ; -4.242,66.976 -4.75,68.5 ; -3,70.746 -3,71.254 ; -1.476,70.492 -3,71 ; -1.476,71.508 -3,71 ; 41.261,71 -3,71 ; 52.739,71 97,71 ; 95.476,70.492 97,71 ; 95.476,71.508 97,71 ; 97,70.746 97,71.254
  text "100 (mm)" at 41.515,70.086 h1.52
  text "50 (mm)" at -3.836,38.65 h1.52 r90
Mechanical 7:
  lines w0.152: -7,66.5 100.5,66.5 ; 26.5,24 57,24 87.5,24 ; 29.1,31.35 29.1,56.15 ; 47.1,32 47.1,64.25 ; 57,19 57,34 ; 60.6,37.75 71.25,37.75 ; 72.9,42.2 90,42.15 ; 73,26 88,26 100,26 ; 76.2,47.5 90.5,47.5 ; 77.105,36.89 91.405,36.89 ; 78.21,31.39 78.21,45.69 ; 80.6,39.2 80.6,53.5 ; 87.5,17.7 87.5,32.7 ; 87.995,29 87.995,52.71

## Text inside footprints (layer, text, board x,y; h text height)
C1: Top Overlay "+" at 71.79,28.13 h1.27
C2: Top Overlay "+" at 72.06,27.42 h1.27 r180
C5: Top Overlay "+" at 76.384,38.743 h1.27 r270
C6: Top Overlay "+" at 86.58,40.31 h1.27 r270
C7: Top Overlay "+" at 86.53,50.81 h1.27 r270
C9: Top Overlay "+" at 76.53,50.81 h1.27 r270
C10: Top Overlay "+" at 74.51,52.37 h1.27 r180
C24: Top Overlay "+" at 32.24,46.08 h1.27
C25: Top Overlay "+" at 68.56,57.42 h1.27 r180
C31: Top Overlay "+" at 11.91,41.87 h1.27 r180
C32: Top Overlay "+" at 11.91,45.47 h1.27 r180
C39: Top Overlay "+" at 49.53,62.27 h1.27 r180
C46: Top Overlay "+" at 71.79,24.03 h1.27
IC3: Top Overlay "*" at 80.1,33.15 h1.27 r90; Mechanical 13 "*" at 81.344,34.47 h1.27 r90
IC4: Top Overlay "*" at 80.1,44.35 h1.27 r90; Mechanical 13 "*" at 81.344,45.67 h1.27 r90
U2: Top Overlay "*" at 75.271,37.638 h1.27 r180; Mechanical 13 "*" at 73.934,38.694 h1.27 r180
U3: Top Overlay "*" at 79.004,64.111 h1.27; Mechanical 13 "*" at 80.37,62.956 h1.27